# KiCad board ts52k.kicad_pcb (continued)
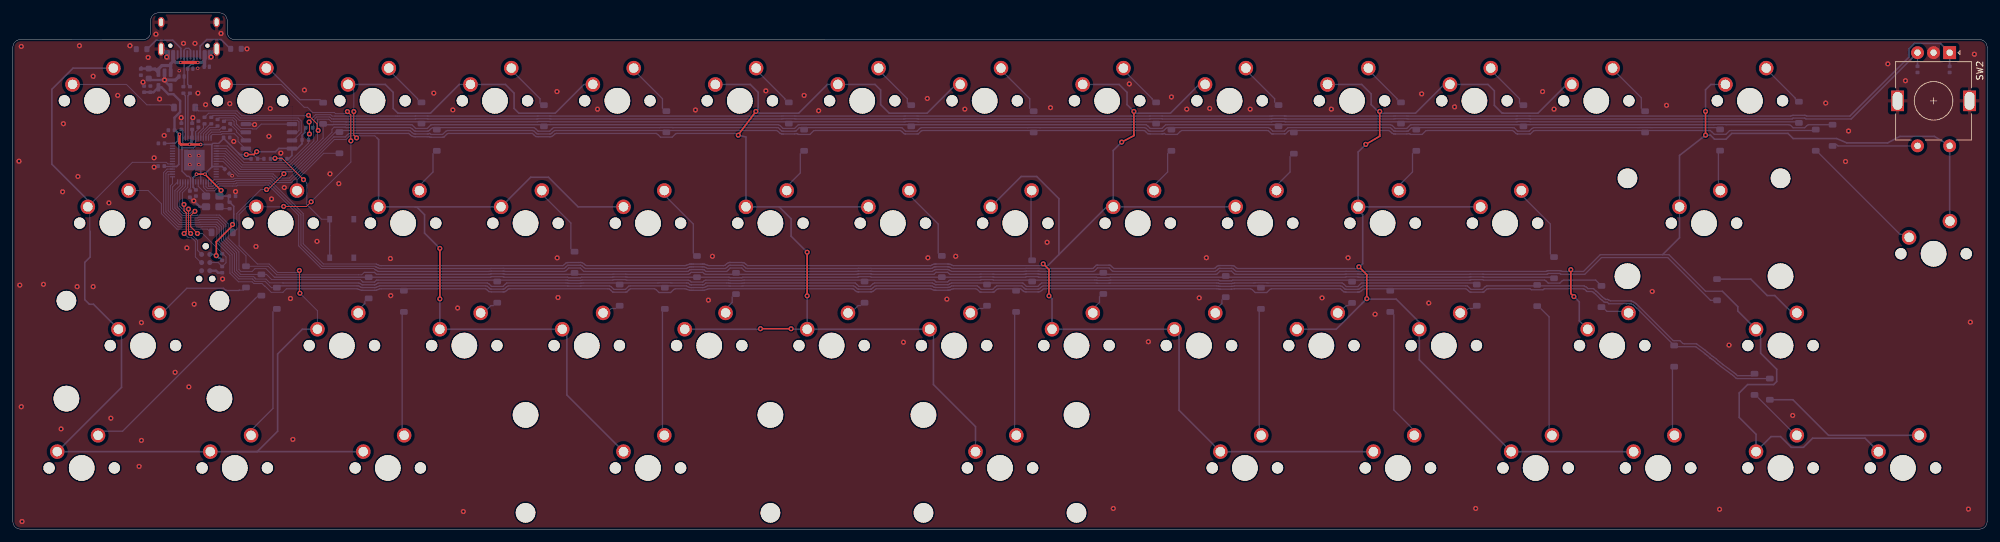
[diagram p0: board, top side]
## Routing (per net, layer and track width the routed paths; a pad name or vN(x,y) marks a point on that pad's centre or on a via; arc(x,y) is an arc through that point) (continued)
rpg1: length 283.9
  Top w0.15: v1(46.09,63.36) 46.09,63.17 46.15,63.12 v1(46.15,61.5)
  Bottom w0.15: U5.2 33.37,59.64 35.97,57.04 42.95,57.04 46.02,60.11 46.02,60.46 ; v1(46.15,61.5) 46.02,61.37 R15.2 ; v1(46.09,63.36) 46.09,63.49 47.11,64.51 49.46,64.51 49.67,64.29 50.1,64.29
  Bottom w0.2: 50.1,64.29 59.6,64.29 59.85,64.29 60.1,64.29 62.6,64.29 62.67,64.3 64.48,64.3 64.6,64.29 81.6,64.29 81.72,64.3 83.53,64.3 83.6,64.3 83.73,64.29 115.35,64.29 115.6,64.29 115.85,64.29 119.63,64.29 119.82,64.3 121.63,64.3 121.83,64.29 138.68,64.29 138.85,64.3 140.68,64.3 140.85,64.29 174.1,64.29 174.35,64.29 174.6,64.29 176.85,64.29 176.98,64.3 178.79,64.3 178.85,64.29 195.6,64.29 195.83,64.29 196.03,64.32 197.84,64.32 197.85,64.31 198.03,64.31 198.1,64.29 212.35,64.29 212.6,64.29 212.85,64.29 214.88,64.29 215.08,64.3 216.89,64.3 217.08,64.29 233.93,64.29 234.1,64.3 235.94,64.3 236.1,64.29 263.1,64.29 263.35,64.29 263.6,64.29 276.6,64.29 276.79,64.36 276.85,64.39 276.99,64.41 278.8,64.41 278.85,64.42 278.99,64.36 279.1,64.29 285.84,64.29
  Bottom w0.25: 301.35,72.15 301.35,74.16 ; 285.84,64.29 295.02,73.48 295.02,74.76 295.87,75.61 299.91,75.61 SW2.A
rpg2: length 277.4
  Bottom w0.15: U5.3 33.17,59.24 35.72,56.69 43.1,56.69 46.83,60.43 46.83,63.73 47.26,64.16 49.3,64.16 49.62,63.84 49.85,63.84
  Bottom w0.2: 286.03,63.84 278.99,63.84 278.85,63.93 278.8,63.98 276.99,63.98 276.85,63.84 236.13,63.84 236.1,63.85 235.94,63.87 234.1,63.87 233.93,63.85 233.85,63.84 217.08,63.84 216.89,63.87 215.08,63.87 214.88,63.84 198.1,63.84 198.03,63.88 197.85,63.88 197.84,63.89 196.03,63.89 195.85,63.87 195.83,63.85 195.6,63.84 178.85,63.84 178.79,63.87 176.98,63.87 176.85,63.84 140.88,63.84 140.85,63.85 140.68,63.87 138.85,63.87 138.68,63.85 138.6,63.84 121.83,63.84 121.63,63.87 119.82,63.87 119.63,63.84 83.73,63.84 83.6,63.87 83.53,63.87 81.72,63.87 81.6,63.86 81.53,63.84 64.6,63.84 64.48,63.87 62.67,63.87 62.6,63.84 49.85,63.84
  Bottom w0.25: 296.34,72.15 296.34,74.16 ; SW2.B 286.03,63.84
SWCLK: length 14.7
  Top w0.15: v1(26.63,50.53) 26.63,49.56 26.97,49.21 26.97,46.34 v1(26.65,46.02)
  Bottom w0.15: U5.24 27.21,54.01 27.21,53.19 26.37,52.35 26.37,50.79 v1(26.63,50.53) ; 29.26,41.49 28.4,42.36 28.4,44.79 27.84,45.34 27.32,45.34 v1(26.65,46.02)
SWDIO: length 13.5
  Top w0.15: v1(27.32,49.82) 27.32,46.35 v1(27.66,46.02)
  Bottom w0.15: 29.28,42.86 28.75,43.39 28.75,44.93 v1(27.66,46.02) ; v1(27.32,49.82) 26.39,49.82 25.97,50.23 25.97,52.44 26.84,53.31 U5.25
~{RST}: length 21.5
  Top w0.15: v1(28.32,49.47) 27.67,48.82 27.67,47.07 v1(28.72,46.02)
  Bottom w0.15: v1(28.32,49.47) 27.93,49.47 27.6,49.14 26.57,49.14 25.56,50.15 25.56,52.54 26.44,53.42 U5.26 ; v1(28.72,46.02) 29.51,46.02 33.17,42.36 33.17,41.47 C7.1 31.95,41.49 30.75,41.49
Net-(D2-A): length 17.1
  Bottom w0.15: MX2.1 17.68,69.22 20.85,66.04 24.47,66.04 24.87,65.64
Net-(D3-A): length 16.6
  Bottom w0.15: MX3.2 21.05,52.71 23.11,50.64 23.11,49.11 25.53,46.69 30.27,46.69 30.92,46.04
Net-(D4-A): length 14.2
  Bottom w0.15: 35.27,37.19 35.85,37.19 D4.2
  Bottom w0.2: 35.27,37.19 35.22,37.19 35.17,37.14 33.22,37.14 33.17,37.19 33.07,37.19 32.77,37.49 27.07,37.49 23.77,34.19
Net-(D5-A): length 33.2
  Bottom w0.15: D5.2 38.18,36.35 37.77,35.94
  Bottom w0.2: 37.77,35.94 17.07,15.24 14.17,15.24
Net-(D7-A): length 9.2
  Bottom w0.2: 47.82,66.84 44.67,66.84 40.37,71.14
Net-(D8-A): length 10
  Bottom w0.15: MX8.2 44.21,54.34 48.37,58.5 D8.2
Net-(D9-A): length 19.4
  Bottom w0.2: 37.37,15.69 40.47,18.79 40.47,33.84
Net-(D11-A): length 5.6
  Bottom w0.2: 62.97,66.84 62.97,66.99 59.12,70.84
Net-(D12-A): length 5.4
  Bottom w0.2: 65.37,58.44 65.37,55.59 63.57,53.79
Net-(D13-A): length 1.1
  Bottom w0.2: 54.27,34.64 54.77,35.14 54.77,35.49
Net-(D14-A): length 17.7
  Bottom w0.2: 60.57,33.39 60.57,15.69
Net-(D16-A): length 6.1
  Bottom w0.2: 78.17,70.84 82.02,66.99 82.02,66.29
Net-(D17-A): length 9.7
  Bottom w0.2: 86.82,43.64 86.82,47.64 82.77,51.69
Net-(D18-A): length 1.2
  Bottom w0.2: 73.77,34.19 74.37,34.79 74.77,34.79
Net-(D20-A): length 6.9
  Bottom w0.2: 101.07,65.49 101.07,66.99 97.22,70.84
Net-(D21-A): length 10.4
  Bottom w0.2: 101.72,51.64 105.87,47.49 105.87,42.94
Net-(D22-A): length 1.1
  Bottom w0.2: 92.87,34.09 93.12,34.34 93.82,34.34
Net-(D23-A): length 18.2
  Bottom w0.2: 101.07,15.69 101.07,33.84
Net-(D25-A): length 5.6
  Bottom w0.2: 120.12,66.84 120.12,66.99 116.27,70.84
Net-(D26-A): length 5.4
  Bottom w0.2: 120.82,53.74 122.52,55.44 122.52,58.44
Net-(D27-A): length 1.7
  Bottom w0.2: 111.92,36.14 111.92,35.29 111.32,34.69
Net-(D29-A): length 6.1
  Bottom w0.2: 139.17,66.29 139.17,66.99 135.32,70.84
Net-(D30-A): length 10.4
  Bottom w0.2: 139.82,51.64 143.97,47.49 143.97,42.94
Net-(D31-A): length 1.2
  Bottom w0.2: 131.92,34.79 131.52,34.79 130.92,34.19
Net-(D33-A): length 6.9
  Bottom w0.2: 154.37,70.84 158.22,66.99 158.22,65.49
Net-(D34-A): length 9.3
  Bottom w0.2: 158.42,51.59 158.42,42.29
Net-(D35-A): length 1.1
  Bottom w0.2: 150.97,34.34 150.27,34.34 150.02,34.09
Net-(D37-A): length 5.6
  Bottom w0.2: 177.27,66.84 177.27,66.99 173.42,70.84
Net-(D38-A): length 5.4
  Bottom w0.2: 177.87,53.79 179.67,55.59 179.67,58.44
Net-(D39-A): length 1.7
  Bottom w0.2: 169.07,36.19 169.07,35.29 168.47,34.69
Net-(D40-A): length 17.7
  Bottom w0.2: 155.87,33.39 155.87,15.69
Net-(D42-A): length 6
  Bottom w0.2: 196.32,66.44 196.32,66.99 192.47,70.84
Net-(D43-A): length 4.9
  Bottom w0.2: 196.92,53.79 198.72,55.59 198.72,57.99
Net-(D44-A): length 1.3
  Bottom w0.2: 188.12,35.69 188.12,35.14 187.62,34.64
Net-(D46-A): length 5.6
  Bottom w0.2: 211.52,70.84 215.37,66.99 215.37,66.84
Net-(D47-A): length 5.4
  Bottom w0.2: 215.97,53.79 217.77,55.59 217.77,58.44
Net-(D48-A): length 0.9
  Bottom w0.2: 207.77,34.79 207.47,34.79 207.02,34.34
Net-(D49-A): length 18.2
  Bottom w0.2: 193.92,33.84 193.92,15.69
Net-(D51-A): length 6.1
  Bottom w0.2: 234.42,66.29 234.42,66.99 230.57,70.84
Net-(D52-A): length 1.1
  Bottom w0.2: 227.17,34.34 226.47,34.34 226.22,34.09
Net-(D53-A): length 18.9
  Bottom w0.2: 217.72,15.69 214.87,18.54 214.87,33.39
Net-(D55-A): length 7
  Bottom w0.2: 253.37,65.49 253.37,67.14 249.62,70.89
Net-(D56-A): length 10.6
  Bottom w0.2: 239.22,42.79 239.22,47.49 235.07,51.64
Net-(D58-A): length 19.2
  Bottom w0.2: 237.77,34.29 239.02,33.04 239.02,15.64
Net-(D61-A): length 9.2
  Bottom w0.2: 258.22,24.84 258.22,15.69
Net-(D63-A): length 5.5
  Bottom w0.2: 277.32,66.94 277.32,67.09 273.52,70.89
Net-(D64-A): length 4.7
  Bottom w0.2: 265.37,58.49 265.37,53.79
Net-(D65-A): length 13.9
  Bottom w0.25: 276.84,33.66 274.13,36.37 272.96,36.37 270.41,38.92 D65.2
Net-(D66-A): length 7.3
  Bottom w0.2: 271.57,20.44 276.67,15.34 276.72,15.34
Net-(D68-A): length 11.8
  Bottom w0.2: 295.37,59.64 283.97,59.64 283.72,59.89
Net-(D70-A): length 25.5
  Bottom w0.25: D70.2 276.96,20.14 282.5,14.61 MX71.2
Net-(D87-A): length 18.1
  Bottom w0.2: 294.02,45.89 293.62,45.89 281.07,58.44
Net-(D88-A): length 2.6
  Bottom w0.2: 250.27,33.89 248.02,33.89 247.77,34.14
Net-(J1-CC1): length 7.6
  Bottom w0.25: R5.2 20.9,74.71 22.29,76.1 24.88,76.1 26.14,74.84 J1.A5 ; 20.86,74.76 21.03,74.76
Net-(J1-CC2): length 7.2
  Bottom w0.25: J1.B5 29.14,75.18 30.17,76.2 32.41,76.2 33.85,74.76 R6.2 33.89,74.82
Net-(R14-Pad2): length 21.1
  Top w0.15: v1(45.22,54.4) 41.9,57.72 v1(40.78,57.72)
  Bottom w0.15: v1(45.22,54.4) 45.74,53.88 45.74,50.53 48.02,48.24 SW1.2 ; R14.2 40.71,57.64 v1(40.78,57.72)
  Bottom w0.2: SW1.2 SW1.2
Net-(U5-QSPI_SCLK): length 2.7
  Bottom w0.15: 30.62,62.95 30.6,62.95 29.24,61.6 U5.52
Net-(U5-QSPI_SD0): length 3.4
  Bottom w0.15: R10.2 31.59,62.49 30.62,62.49 29.64,61.51 U5.53
Net-(U5-QSPI_SD1): length 4.2
  Bottom w0.15: R11.2 33.61,61.89 32.4,61.89 32.3,61.79 30.92,61.79 30.44,61.32 U5.55
Net-(U5-QSPI_SD2): length 3.8
  Bottom w0.15: R12.2 32.46,62.46 32.15,62.14 30.77,62.14 30.04,61.41 U5.54
Net-(U5-QSPI_SD3): length 2.4
  Bottom w0.15: 29.66,62.95 29.66,62.44 28.84,61.62 U5.51
Net-(U5-USB_DM): length 7
  Bottom w0.2: 26.53,67.75 26.84,67.45 U5.46
Net-(U5-USB_DP): length 7
  Bottom w0.2: 27.55,67.75 27.24,67.45 U5.47
Net-(U5-XIN): length 2.7
  Bottom w0.15: 29.92,51.83 29.92,52.29 28.84,53.37 U5.20
Net-(X2-EN): length 1.7
  Bottom w0.15: 31.98,50.19 32.29,49.88 33.55,49.88

## Copper pours and planes (outline as drawn; the poured copper is in the pictures)
GND on Top: 28.37,65.84 43.57,65.84 43.57,52.94 28.37,52.94
GND on Top, Bottom: 307.18,0 0,0 0,80.96 307.3,80.96
GND on Bottom: 28.37,65.84 43.57,65.84 43.57,52.94 28.37,52.94

## Text on the board
B.Silkscreen: TS52K Keyboard R0.1 | (C) 2023 Ikebe Sadao https://github.com/sadaoikebe/ | 1
